# Allegro board controller.brd (continued)
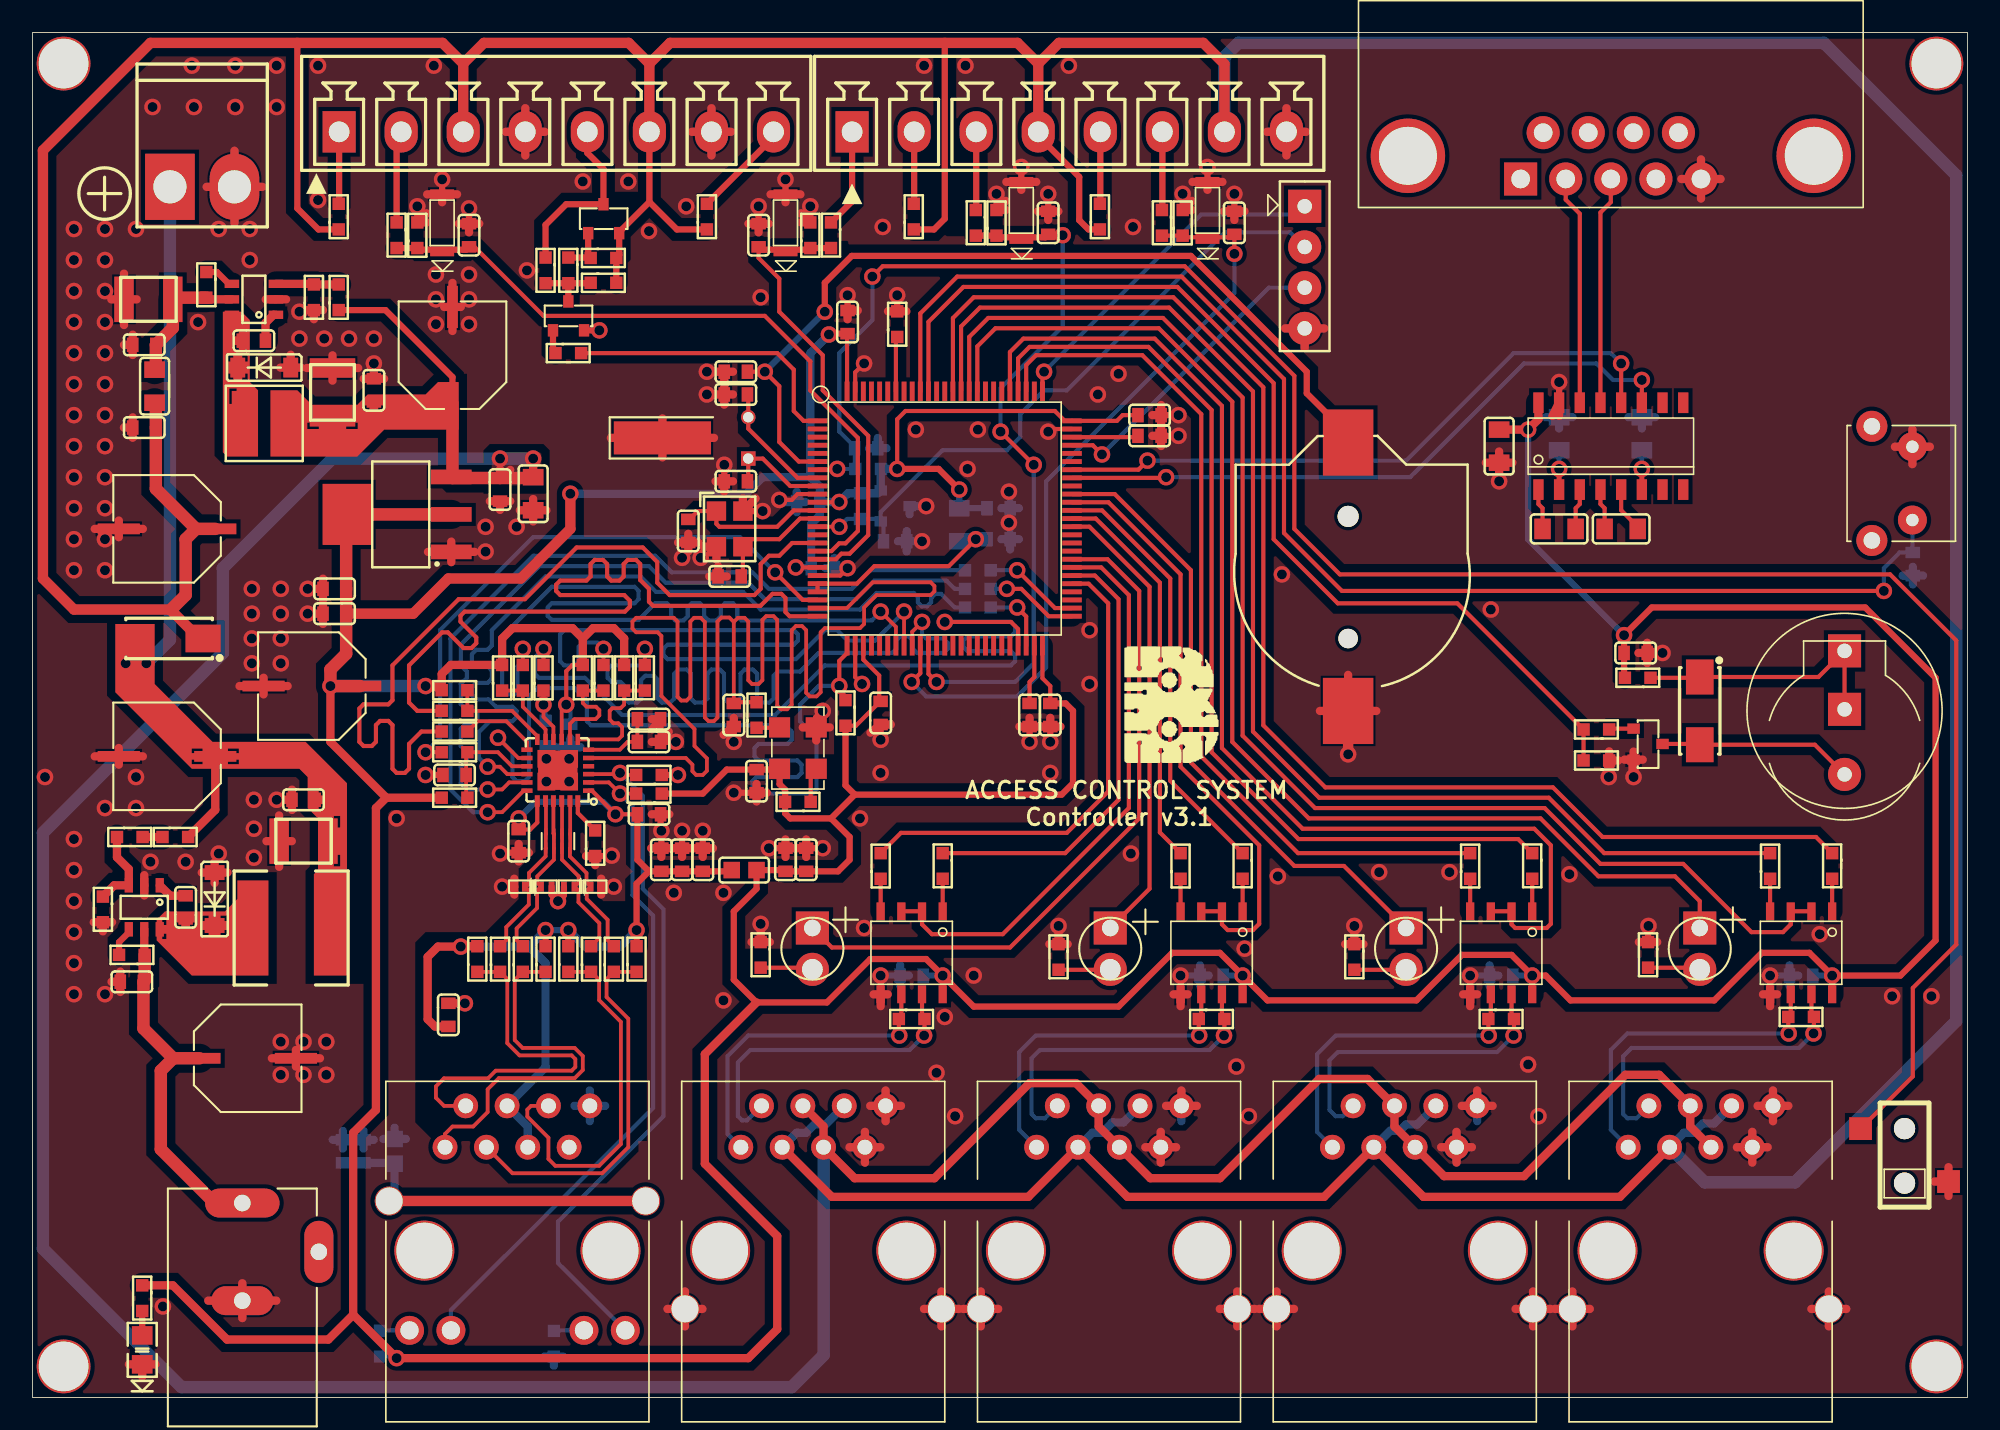
[diagram p0: board, top side]
## Routing (per net, layer and track width the routed paths; a pad name or vN(x,y) marks a point on that pad's centre or on a via; arc(x,y) is an arc through that point) (continued)
RMII_CLK: length 102.6
  TOP w0.229: U1.24 50,48.48 51.58,50.06 55.14,50.06 55.37,49.83 55.37,49.5 55.14,49.28 51.82,49.28 51.05,48.51 51.05,47.5 50.8,47.24 48.64,47.24 48.39,46.99 48.39,43.31 48.13,43.05 47.72,43.05 47.5,43.27 47.5,47.12 47.24,47.37 46.86,47.37 46.61,47.12 46.61,42.55 46.32,42.26 45.95,42.26 45.72,42.49 45.72,47.75 45.49,47.98 45.04,47.98 44.81,47.75 44.81,44.05 44.58,43.81 44.17,43.81 43.94,44.04 43.94,47.65 43.71,47.88 43.31,47.88 43.05,47.62 ; 43.05,47.62 C133.1 ; 43.05,47.62 42.78,47.89 42.29,47.89 42.05,47.66 42.05,41.75 41.83,41.53 41.5,41.53 41.27,41.76 41.27,47.62 41.02,47.88 40.61,47.88 40.39,47.65 40.39,43.03 40.16,42.8 39.83,42.8 39.6,43.03 39.6,47.65 39.37,47.88 37.06,47.88 36.83,47.65 36.83,47.22 37.06,46.99 38.38,46.99 38.61,46.76 38.61,43.08 40.64,41.05 40.64,40.01 41.4,39.24 41.4,38.48 41.15,38.23 40.74,38.23 40.51,38.46 40.51,38.86 40.11,39.27 U20.5
  TOP w0.254: R332.1 43.13,42.7 C133.1
RMII_CRS_DVALID: length 4.8
  TOP w0.229: R23.2 R340.2 30.1,42.42 31.5,41.02 U20.11
RMII_INT: length 56.7
  TOP w0.229: U20.14 29.82,39.27 v1(28.57,40.51)
  TOP w0.254: U1.26 50.01,45.71 49.53,45.23 v1(49.53,43.7) 49.53,43.43 49.91,43.05 R104.2
  BOTTOM w0.254: v1(28.57,40.51) 29.46,39.62 29.46,38.1 29.72,37.85 30.23,37.85 30.48,38.1 30.48,43.05 30.99,43.56 33.27,43.56 34.04,42.8 34.04,41.53 34.29,41.27 46.23,41.27 46.61,40.89 46.61,40.39 46.35,40.13 44.58,40.13 44.32,39.88 44.32,39.37 44.58,39.12 46.96,39.12 47.21,38.86 47.21,38.35 46.96,38.1 44.45,38.1 44.2,37.85 44.2,37.34 44.45,37.08 47.88,37.08 48.13,37.34 48.13,40.51 47.12,41.53 47.12,42.55 48.27,43.7 v1(49.53,43.7)
RMII_MD: length 6.4
  TOP w0.229: R22.2 R339.2 29.44,42.16 30.99,40.61 U20.12
RMII_MDCLK: length 4.9
  TOP w0.229: R338.2 27.33,41.53 29.08,41.53 30.35,40.26 U20.13
RMII_RST: length 6.9
  TOP w0.229: R24.2 26.62,36.91 C29.2 26.62,39.55 R26.2 28.57,39.62 29.44,38.76 U20.15
RMII_RX_ERR: length 4.3
  TOP w0.229: U20.10 31.98,41.18 31.37,41.79 v1(31.37,42.55)
  TOP w0.254: R348.2 v1(31.37,42.55)
  BOTTOM w0.254: R21.2 31.5,42.42 v1(31.37,42.55)
RMII_RXD0: length 6.5
  TOP w0.229: U20.8 32.99,41.37 33.28,41.66 34.57,41.66 34.8,41.88 34.8,42.21 34.59,42.42 34.01,42.42 33.78,42.65 R16.2 R336.2
RMII_RXD1: length 8
  TOP w0.229: R337.2 R17.2 36.32,42.55 36.11,42.33 35.6,42.33 35.43,42.16 35.43,41.63 35.66,41.4 35.97,41.4 36.2,41.17 36.2,40.64 35.97,40.41 U20.7
RMII_TXD0: length 49.5
  TOP w0.229: U20.17 29.26,37.77 28.83,37.34 v1(27.94,37.34)
  BOTTOM w0.254: v1(27.94,37.34) 26.67,37.34 26.29,37.72 26.29,38.73 26.67,39.12 26.67,39.62 26.29,40.01 26.29,41.07 26.54,41.32 27.05,41.32 27.3,41.57 27.3,42.08 27.05,42.34 26.54,42.34 26.29,42.59 26.29,43.81 26.67,44.2 26.67,44.58 26.29,44.96 26.29,46.23 31.11,51.05 37.85,51.05 38.86,50.04 43.94,50.04 44.96,49.02 50.55,49.02 51.69,50.16 56.11,50.16 56.62,49.66 R333.2
RMII_TXD1: length 50.1
  TOP w0.229: v1(27.94,35.94) 28.83,35.94 30.15,37.26 U20.18
  BOTTOM w0.254: v1(27.94,35.94) 27.05,35.94 25.65,37.34 25.65,46.61 30.73,51.69 38.23,51.69 39.24,50.67 44.2,50.67 45.21,49.66 50.29,49.66 51.44,50.8 R334.2
RMII_TXEN: length 50.9
  TOP w0.229: v1(27.94,38.73) 28.69,38.73 29.15,38.28 U20.16
  BOTTOM w0.254: R335.2 56.62,48.51 55.79,49.34 55.43,49.34 55.17,49.09 55.17,48.84 54.92,48.59 54.59,48.59 54.36,48.82 54.36,49.15 54.1,49.4 51.82,49.4 50.8,48.39 44.7,48.39 43.62,49.47 38.29,49.47 37.34,50.42 31.5,50.42 28.19,47.12 28.19,46.17 27.94,45.92 27.23,45.92 26.98,45.66 26.98,45.16 27.23,44.9 27.94,44.9 28.19,44.65 28.19,44.14 27.94,43.88 27.23,43.88 26.98,43.63 26.98,43.12 27.23,42.87 28,42.87 28.45,42.42 29.46,42.42 29.72,42.16 29.72,41.78 29.46,41.53 28.07,41.53 27.4,40.86 27.4,39.28 v1(27.94,38.73)
RS485_1A: length 19.6
  TOP w0.254: v1(53.21,22.23) 53.19,22.25 R341.2 53.34,23.39 U21.6
  BOTTOM w0.254: J11.1 42.67,16.18 42.67,20.95 43.94,22.23 v1(53.21,22.23)
RS485_1B: length 19.9
  TOP w0.254: v1(54.74,22.23) 54.76,22.25 R341.1 54.61,23.39 U21.7
  BOTTOM w0.254: v1(54.74,22.23) 53.85,21.34 44.07,21.34 43.31,20.57 43.31,17.27 43.56,17.02 43.87,17.02 J11.2
RS485_1EN: length 36.6
  TOP w0.254: U22.3 U22.2 73.03,29.06 73.38,28.7 74.93,28.7 75.31,29.08 75.31,33.91 70.48,38.73 70.48,50.55 66.06,54.98 U1.65
RS485_2A: length 20.4
  TOP w0.254: U22.6 71.75,23.39 R353.2 71.6,22.25 v1(71.63,22.23)
  BOTTOM w0.254: v1(71.63,22.23) 61.59,22.23 60.58,21.21 60.58,16.43 J12.1
RS485_2B: length 20.4
  TOP w0.254: v1(73.15,22.23) 73.18,22.25 R353.1 73.03,23.39 U22.7
  BOTTOM w0.254: J12.2 62.15,17.14 61.59,17.14 61.34,17.4 61.34,20.83 61.85,21.34 72.26,21.34 v1(73.15,22.23)
RS485_2EN: length 84.3
  TOP w0.254: U1.85 57.51,65.13 58.67,66.29 69.4,66.29 74.3,61.4 74.3,40.64 78.74,36.2 92.84,36.2 96.27,32.77 101.35,32.77 105.54,28.57 107.47,28.57 107.95,29.06 U24.3 U24.2
RS485_3A: length 19.7
  TOP w0.254: U23.6 89.53,23.39 R356.2 89.38,22.25 v1(89.41,22.23)
  BOTTOM w0.254: v1(89.41,22.23) 80.01,22.23 78.87,21.08 78.87,16.31 J13.1
RS485_3B: length 19.5
  TOP w0.254: v1(90.93,22.23) 90.96,22.25 R356.1 90.81,23.39 U23.7
  BOTTOM w0.254: v1(90.93,22.23) 89.92,21.21 80.14,21.21 79.63,20.7 79.63,17.65 80.01,17.27 80.44,17.27 J13.2
RS485_3EN: length 35.5
  TOP w0.254: U21.3 U21.2 54.61,29.06 55.22,28.45 59.56,28.45 67.31,36.2 67.31,49.28 65.61,50.98 U1.57
RS485_4A: length 20.2
  TOP w0.254: U24.6 107.95,23.52 R359.2 107.8,22.38 v1(107.82,22.35)
  BOTTOM w0.254: v1(107.82,22.35) 97.92,22.35 96.9,21.34 96.9,16.43 J14.1
RS485_4B: length 20.3
  TOP w0.254: U24.7 109.22,23.52 R359.1 109.37,22.38 v1(109.35,22.35)
  BOTTOM w0.254: v1(109.35,22.35) 108.46,21.46 98.17,21.46 97.66,20.95 97.66,17.4 97.92,17.14 98.48,17.14 J14.2
RS485_4EN: length 70.7
  TOP w0.254: U23.3 U23.2 90.81,29.06 91.03,28.83 92.96,28.83 93.22,29.08 93.22,33.91 92.2,34.92 77.98,34.92 73.03,39.88 73.03,60.89 68.89,65.02 60.83,65.02 60.01,64.2 U1.80
RX2: length 14
  TOP w0.254: U5.13 96.27,72.77 96.9,73.41 J15.3
SPEAKER: length 64.2
  TOP w0.254: R347.1 R34.1 87.48,48.77 80.14,48.77 76.2,52.7 76.2,62.29 70.29,68.2 57.15,68.2 55.01,66.06 U1.90
SW_HDT: length 129.7
  TOP w0.254: v1(51.56,68.83) 52.2,69.47 70.74,69.47 77.47,62.74 77.47,53.34 80.26,50.55 114.05,50.55 118.11,46.48 118.11,27.81 115.44,25.15 115.44,19.72 SW1.1 ; v1(49.4,57.02) 49.35,56.97 U1.7
  BOTTOM w0.229: C129.1 50.47,57.07 R74.2 v1(49.4,57.02)
  BOTTOM w0.254: v1(51.56,68.83) 51.56,66.17 49.53,64.14 49.53,59.32 50.47,58.38 C129.1
TX2: length 14.1
  TOP w0.254: J15.2 94.13,73.56 95,72.69 U5.14
UART1_RX: length 39.4
  TOP w0.254: U1.69 67.9,56.97 v1(68.45,57.53) ; v1(97.54,63.5) U5.12
  BOTTOM w0.254: v1(97.54,63.5) 96.9,64.14 90.93,64.14 84.33,57.53 v1(68.45,57.53)
UART1_TX: length 39.7
  TOP w0.254: v1(69.6,56.52) 69.56,56.47 U1.68 ; v1(98.81,62.48) U5.11
  BOTTOM w0.254: v1(98.81,62.48) 97.03,62.48 96.01,63.5 91.57,63.5 84.58,56.52 v1(69.6,56.52)
UART2_RX: length 85.3
  TOP w0.254: R361.2 109.5,34.42 96.39,34.42 93.34,37.47 79.38,37.47 75.56,41.27 75.56,62.04 70.04,67.56 57.78,67.56 56.51,66.29 U1.87
UART2_TX: length 80.2
  TOP w0.254: U1.86 57.01,65.77 58.17,66.93 69.78,66.93 74.93,61.78 74.93,40.89 78.99,36.83 93.09,36.83 96.49,33.43 R360.1
UART3_RX: length 27.9
  TOP w0.254: U1.56 65.22,50.47 66.67,49.02 66.67,36.7 63.4,33.43 R73.2
UART3_TX: length 29.8
  TOP w0.254: R72.1 53.31,34.67 63.5,34.67 66.04,37.21 66.04,48.77 64.84,49.97 U1.55
UART4_RX: length 59.1
  TOP w0.254: R358.2 91.21,34.29 77.72,34.29 72.39,39.62 72.39,60.64 68.51,64.52 61.21,64.52 60.51,63.81 U1.79
UART4_TX: length 54.1
  TOP w0.254: R357.1 77.7,33.43 71.75,39.37 71.75,60.39 68.13,64.01 61.61,64.01 61.01,63.4 U1.78
UART6_RX: length 26.5
  TOP w0.254: R355.2 69.85,37.87 69.85,50.29 65.67,54.48 U1.64
UART6_TX: length 24.2
  TOP w0.254: U1.63 65.28,53.98 69.22,50.04 69.22,34.7 R354.1
V_EXIT: length 4.4
  TOP w0.381: R94.1 18.82,73.33 J9.1
V_LINE1: length 4.4
  TOP w0.381: J16.2 54.13,73.33 R368.1
V_LINE2: length 4.4
  TOP w0.381: J16.5 65.56,73.33 R371.1
V_LOCK: length 6.1
  TOP w0.381: J9.8 45.49,77.39 R365.1
W_RXN: length 10.3
  TOP w0.229: U20.22 32.51,36.61 ED26.6 ED26.3 32.51,33.03 33.53,32 33.53,31.62 D42.2 33.52,31.13 33.52,30.41 34.8,29.13 34.8,28.22 R328.1
W_RXN_TRANS: length 22.9
  TOP w0.229: R11.2 R328.2 34.79,25.64 34.79,24.4 36.12,23.07 36.12,15.56 34.79,14.22 32.1,14.22 31.67,14.65 31.67,15.95 30.38,17.25 30.38,17.68 30.61,17.91 J1.6
W_RXP: length 10.3
  TOP w0.229: R329.1 35.31,28.09 35.31,29.34 34.02,30.62 34.02,31.13 D41.2 34.04,31.6 34.04,31.61 34.01,31.64 34.01,32.2 32.99,33.23 32.99,33.71 ED26.4 ; U20.23 33.01,36.61 ED26.5 ED26.4 ; 33.01,33.72 ED26.4
W_RXP_TRANS: length 22.9
  TOP w0.229: J1.3 29.46,13.77 34.98,13.77 36.58,15.37 36.58,23.26 35.24,24.59 35.24,25.69 R329.2 R12.2
W_TXN: length 10.3
  TOP w0.229: U20.20 31.52,36.6 31.52,34.61 ED26.8 ED26.1 31.5,33.72 31.5,33.23 30.48,32.21 30.48,31.55 30.3,31.37 D44.2 30.47,31.13 30.47,30.27 29.08,28.88 29.08,28.09 R330.1
W_TXN_TRANS: length 22.8
  TOP w0.229: R9.2 R330.2 29.15,25.69 29.15,21.76 29.9,21.01 33.1,21.01 33.32,20.78 33.32,20.29 33.1,20.07 28.44,20.07 27.97,19.6 25.26,19.6 24.77,19.1 24.77,18.4 25.26,17.91 J1.2
W_TXP: length 10.2
  TOP w0.229: R331.1 29.72,28.09 29.72,28.8 30.98,30.06 30.98,31.13 D43.2 30.99,31.6 30.99,32 32.01,33.02 ED26.2 ED26.7 32.01,34.61 31.98,34.64 U20.21
W_TXP_TRANS: length 23
  TOP w0.229: J1.1 25.32,16.18 25.78,16.64 27.05,16.64 27.94,17.52 27.94,18.92 28.63,19.61 33.29,19.61 33.78,20.1 33.78,20.97 33.29,21.46 30.09,21.46 29.6,21.95 29.6,25.64 R331.2 R10.2
YE+: length 42.7
  TOP w0.229: R106.1 36.2,38.23 v1(36.07,38.35) 35.99,38.28 U20.3
  BOTTOM w0.254: J1.12 32.26,8.26 32.26,10.79 38.73,17.27 38.73,29.97 37.47,31.24 37.47,36.96 v1(36.07,38.35)
YE-: length 1.9
  BOTTOM w0.254: J1.11 32.03,4.12 R167.1
N1927076: length 1.9
  TOP w0.508: C37.1 14.3,65.99 14.8,66.49 U12.1
N1927104: length 8.5
  TOP w0.508: R386.1 10.77,67.44 U12.5
  TOP w0.762: R386.1 8.71,67.54 C142.1 8.61,65.68 C32.1 7.57,63.2 L9.2
N1927148: length 3.9
  TOP w0.508: R29.1 R30.1 17.24,68.39 U12.3
N1927532: length 1.5
  TOP w0.381: R96.1 D18.1
N1929983: length 3.9
  TOP w0.381: R78.1 34.24,68.43 R79.2 ; R78.1 Q6.3 ; R78.1 R373.1
N1930015: length 2.9
  TOP w0.381: Q7.1 34.11,70.13 34.24,70 ; 34.24,70 R78.2 ; 34.24,70 R92.2
N1930818: length 2
  TOP w0.254: R73.1 U21.1
N1933842: length 7.2
  TOP w0.254: U1.13 47.12,53.98 45.85,52.7 44.07,52.7 Y1.3 43.61,50.52 C13.1
N1933886: length 9.4
  TOP w0.254: C14.1 40.34,53.92 40.84,54.43 Y1.1 41.99,53.65 42.17,53.47 45.72,53.47 46.73,54.48 U1.12
N1934496: length 4.1
  TOP w0.254: C10.1 67.79,58.97 U1.73
N1934500: length 3.7
  TOP w0.254: C11.1 61.21,43.94 61.51,44.23 U1.49
N1934534: length 3.4
  TOP w0.254: U1.94 53.01,65.05 R1.2
N1935034: length 6.4
  TOP w0.254: U1.9 46.52,55.97 44.83,57.66 Y2.1 43.94,56.31 C15.1
N1935038: length 7.6
  TOP w0.254: U1.8 46.96,56.47 43.94,59.5 Y2.2 43.94,61.54 C16.1
N1936411: length 2.2
  TOP w0.254: U20.24 33.48,35.89 R25.1
N1936629: length 4.6
  TOP w0.229: U20.6 36.05,39.78 36.54,40.26 C18.1 C17.1
N1936921: length 1.4
  TOP w0.254: Y3.3 45.84,41.12 R332.2
N1946755: length 2
  TOP w0.254: R355.1 U22.1
N1947254: length 2
  TOP w0.254: R358.1 U23.1
N1947771: length 2
  TOP w0.254: R361.1 U24.1
N1953697: length 2.5
  TOP w0.254: C148.2 92.71,54.61 92.46,54.86 U5.1
N1953701: length 2.5
  TOP w0.254: C148.1 94.74,54.61 95,54.86 U5.3
N1953713: length 2.8
  TOP w0.254: U5.5 97.54,54.48 98.55,53.47 C149.2
N1953717: length 2.5
  TOP w0.254: U5.4 96.27,54.86 96.52,54.61 C149.1
N1953793: length 2.4
  TOP w0.305: U5.2 v1(93.73,57.02)
  BOTTOM w0.305: C34.1 v1(93.73,57.02)
N1953801: length 2.4
  TOP w0.305: U5.6 v1(98.81,57.02)
  BOTTOM w0.305: C35.1 v1(98.81,57.02)
N1967474: length 1.8
  TOP w0.381: R7.1 5.31,27.96 5.91,28.56 U25.4
N1967550: length 1.9
  TOP w0.508: C156.1 8.45,30.81 U25.1
N1967554: length 5.1
  TOP w0.508: R374.2 5.01,31.45 U25.3 5.91,32.45 5.18,33.17 R8.2
N1969017: length 16.2
  TOP w0.254: R33.2 102.31,44.2 D4.1 109.65,44.24 LS1.3 LS1.1
N1969021: length 12
  TOP w0.254: LS1.2 109.43,40.08 D4.2 102.31,40.13 Q1.3
N1987547: length 1.9
  TOP w0.381: U12.4 12.05,68.39 11.32,69.11 R386.2
N2005862: length 3.2
  TOP w0.254: D48.2 47.78,26.39 R349.1
N2006840: length 3.2
  TOP w0.254: R350.1 66.14,26.26 D49.2
N2007531: length 3.2
  TOP w0.254: R351.1 84.3,26.26 D50.2
N2008368: length 3.2
  TOP w0.254: D51.2 102.26,26.39 R352.1
N19299010: length 1.5
  TOP w0.381: Q6.1 31.95,64.29 R77.2
N19307101: length 2
  TOP w0.254: R72.2 U21.4
N19466511: length 2
  TOP w0.254: R354.2 U22.4
N19471501: length 2
  TOP w0.254: R357.2 U23.4
N19476671: length 2
  TOP w0.254: R360.2 U24.4
N19674260: length 1.2
  TOP w0.508: R8.1 R42.2
N19691410: length 1.5
  TOP w0.254: Q1.1 96.85,41.07 R34.2

## Copper pours and planes (outline as drawn; the poured copper is in the pictures)
13.8V on TOP (solid shape): 7.49,43.81 11.05,40.26 16.76,40.26 19.3,37.72 19.3,25.91 17.27,25.91 17.27,32.13 17.53,32.38 17.53,32.61 18.88,32.61 18.88,33.32 18.49,33.32 18.49,32.61 17.53,32.61 17.53,35 18.88,35 18.88,35.71 18.49,35.71 18.49,35 17.53,35 17.53,35.56 16.98,36.11 17.86,36.11 17.86,36.44 17.56,36.44 17.56,36.11 16.98,36.11 16.89,36.2 16.89,36.97 17.86,36.97 17.86,37.3 17.56,37.3 17.56,36.97 16.89,36.97 16.89,38.1 16.38,38.61 9.78,38.61 9.5,38.89 12.66,38.89 12.66,39.17 11.99,39.17 11.99,38.89 10.44,38.89 10.44,39.17 9.77,39.17 9.77,38.89 9.5,38.89 8.82,39.57 12.66,39.57 12.66,39.85 11.99,39.85 11.99,39.57 10.44,39.57 10.44,39.85 9.77,39.85 9.77,39.57 8.82,39.57 5.08,43.31 5.08,47.5 7.49,47.5
GND on TOP (solid shape): 33.45,37.31 31.04,37.31 31.04,39.73 33.45,39.73
GND on TOP: 0.3,0.25 0.27,66.54 0.28,77.55 0.35,77.51 0.43,77.54 6.15,83.27 6.18,83.36 6.11,83.43 3.3,83.43 3.23,83.36 3.26,83.27 3.19,80.5 0.43,80.7 0.36,80.73 0.28,80.7 0.28,83.44 118.49,83.44 118.49,0.25 ; 50 cut-outs
GND on BOTTOM: 0.26,0.26 0.26,83.56 118.49,83.56 118.49,80.72 118.42,80.73 118.36,80.69 115.54,80.56 115.67,83.38 115.7,83.48 115.64,83.56 111.08,83.56 111.01,83.49 111.04,83.39 118.37,76.06 118.43,76.03 118.49,76.05 118.49,0.26 ; 8 cut-outs
VCC5V on TOP (solid shape): 26.16,59.44 21.59,59.44 19.94,57.78 14.61,57.78 14.61,59.47 19.96,59.47 19.96,59.87 19.25,59.87 19.25,59.47 17.58,59.47 17.58,59.87 16.87,59.87 16.87,59.47 14.61,59.47 14.61,60.63 21.55,60.63 21.55,60.92 21.22,60.92 21.22,60.63 20.69,60.63 20.69,60.92 20.36,60.92 20.36,60.63 14.61,60.63 14.61,61.85 16.26,61.85 17.14,60.96 19.96,60.96 19.96,60.97 19.95,60.97 20.57,61.59 24.13,61.59 24.89,62.36 26.16,62.36
VCC5V on TOP: 28.19,57.91 28.19,56.13 28.32,56.01 31.37,56.01 31.37,57.91 31.11,58.17 28.45,58.17
N1927124 on TOP (solid shape): 13.34,66.17 13.34,62.36 13.84,61.85 13.84,57.78 11.94,57.78 11.68,58.04 11.68,61.01 12.53,61.01 12.53,61.96 12.08,61.96 12.08,61.01 11.68,61.01 11.68,62.48 13.21,62.48 13.21,62.88 12.87,62.88 12.87,62.48 12.32,62.48 12.32,62.88 11.99,62.88 11.99,62.48 11.68,62.48 11.68,63.61 13.21,63.61 13.21,64.01 12.87,64.01 12.87,63.61 12.32,63.61 12.32,64.01 11.99,64.01 11.99,63.61 11.68,63.61 11.68,64.3 12.66,64.3 12.66,64.63 12.37,64.63 12.37,64.3 11.68,64.3 11.68,65.16 12.66,65.16 12.66,65.49 12.37,65.49 12.37,65.16 11.68,65.16 11.68,66.67 12.83,66.67
N1967542 on TOP (solid shape): 14.48,25.91 9.78,25.91 7.62,28.07 7.62,28.15 8.21,28.15 8.21,28.37 11.94,28.37 11.94,28.71 11.54,28.71 11.54,28.37 10.81,28.37 10.81,28.71 10.41,28.71 10.41,28.37 8.21,28.37 8.21,28.48 7.96,28.48 7.96,28.15 7.62,28.15 7.62,28.88 9.99,28.88 9.99,29.17 9.66,29.17 9.66,28.88 9.13,28.88 9.13,29.17 8.8,29.17 8.8,28.88 7.62,28.88 7.62,29.01 8.21,29.01 8.21,29.26 11.94,29.26 11.94,29.59 11.54,29.59 11.54,29.26 10.81,29.26 10.81,29.59 10.41,29.59 10.41,29.26 8.21,29.26 8.21,29.34 7.96,29.34 7.96,29.01 7.62,29.01 7.62,29.34 8.13,29.84 11.81,29.84 12.57,30.61 12.57,31.75 14.48,31.75

## Text on the board
Ref Des/Silkscreen Bottom: Controller v3.1 | ACCESS CONTROL SYSTEM
Ref Des/Silkscreen Top: ACCESS CONTROL SYSTEM | Controller v3.1
User.26: FIGURE | SIZE | 24.0 | 25.0 | 35.0 | 36.0 | 40.0 | 44.0 | 45.0 | 50.0 | 51.2 | 65.0 | 80.0 | 120.0 | 140.0 | 47.0 | 51.0 | 135.0 | DRILL CHART: TOP to BOTTOM | ALL UNITS ARE IN MILS | TOLERANCE | +0.0/-0.0 | +0.5/-0.5 | PLATED | NON-PLATED | QTY | 272 | 2 | 7 | 40 | 4 | 30 | 20 | 9 | 10 | 1
